# Allegro board 038RT-9068CJK8E-A100_0921_1.brd (continued)
## Routing (per net, layer and track width the routed paths; a pad name or vN(x,y) marks a point on that pad's centre or on a via; arc(x,y) is an arc through that point) (continued)
S1_1_P7_HSO-: length 139.1
  BOTTOM w0.14: UNK1K217.16 551.53,211.26 546.61,211.26 545.44,212.43 481.24,212.43 476.11,207.31 476.11,186.53 473.28,183.69 462.09,183.69 455.81,189.97 455.81,195.63 453.06,198.38 450.75,198.38 448.43,196.06 447.51,196.06 UNK1K213.24
S1_1_PGATE: length 13.8
  BOTTOM w0.61: UNK1CMOS1.4 357.98,221.3 361.73,217.55 UNK1K11.5
S1_1_WAKE: length 2.2
  TOP w0.115: UNK1R276.1 UNK1K82.5
S1_2_GPIOA1: length 1.8
  BOTTOM w0.115: UNK1K124.3 UNK1R328.2
S1_2_GPIOA2: length 1.8
  BOTTOM w0.115: UNK1K124.6 UNK1R327.2
S1_AVDD09: length 14.2
  TOP w0.508: v1(399.98,190.97) 399.79,190.78 399.79,187.86 400.93,186.72 400.93,180.52 399.89,179.48 S1_AVDD09.1
  vias: v1(399.98,191.6) v1(400.5,210.22) v1(400.5,199.82) v1(401.3,210.22) v1(401.3,199.82) v1(402.9,200.62) v1(403.7,213.42) v1(403.7,211.02) v1(403.7,199.82) v1(404.5,199.82) v1(405.3,199.82) v1(406.1,199.82) v1(406.9,209.42) v1(406.9,200.62) v1(407.7,209.42) v1(407.7,201.42) v1(408.5,201.42) v1(409.3,211.82) v1(409.3,211.02) v1(409.3,210.22) v1(410.1,211.02) v1(410.1,210.22)
S1_AVDD09_VO09: length 6.2
  TOP w3.048: UNK1RD21.1 356.59,54.23 UNK1K4.8
S1_AVDD33: length 19.2
  TOP w0.508: v1(393.96,201.85) 392.25,200.14 379.69,200.14 379.5,199.95 S1_AVDD33.1
  vias: v1(394.6,201.85) v1(400.5,211.82) v1(400.5,211.02) v1(401.3,211.02) v1(401.3,208.62) v1(402.1,211.02) v1(402.1,210.22) v1(402.9,211.02) v1(402.9,210.22) v1(403.7,209.42) v1(404.5,201.42) v1(405.3,201.42) v1(406.1,210.22) v1(406.9,212.62) v1(407.7,212.62) v1(408.5,212.62) v1(409.3,209.42) v1(409.3,208.62) v1(409.3,201.42) v1(410.1,209.42) v1(410.1,208.62) v1(410.1,201.42) v1(410.1,199.82) v1(410.9,212.62) v1(411.7,212.62)
S1_AVDD33_MOSFET: length 17.6
  L15_SIGNAL w0.102: 397.8,207.42 400.9,207.42 v1(401.3,207.02)
  L15_SIGNAL w0.203: 397.8,207.42 397.53,207.69 392.2,207.69 389.34,210.55 388.47,210.55 388.16,210.23 388.16,209.19 388.49,208.86 v2(388.97,208.86)
  BOTTOM w0.203: UNK1ST5.1 v2(388.97,208.86)
  vias: v1(359.25,225.29) v1(359.25,224.66) v1(359.25,224.02) v1(359.25,223.39) v1(359.25,222.75) v1(359.25,222.12) v1(392.88,210.44) v1(392.88,209.81) v1(392.88,209.17) v1(393.51,210.44) v1(393.51,209.81) v1(393.51,209.17)
S1_CHR_FE_MDI+: length 4
  TOP w0.105: UNK1K58.4 639.78,158.23 639.91,158.1 639.91,155.94 UNK1R130.1
S1_CHR_FE_MDI-: length 4
  TOP w0.105: UNK1R130.2 640.38,155.94 640.38,158.1 640.51,158.23 UNK1K58.5
S1_CHR_FE_MDIX+: length 4
  TOP w0.105: UNK1K54.4 632.73,158.23 632.87,158.1 632.87,155.94 UNK1R126.1
S1_CHR_FE_MDIX-: length 4
  TOP w0.105: UNK1K54.5 633.47,158.23 633.33,158.1 633.33,155.94 UNK1R126.2
S1_CKXTAL1: length 29.2
  TOP w0.115: SITE1.A13 407.7,214.23 408.1,214.63 425.09,214.63 426.6,213.12 433.19,213.12 UNK1K34.6
S1_CKXTAL2: length 30.3
  TOP w0.115: UNK1K34.3 433.61,215.9 407.54,215.9 406.9,215.26 SITE1.A12
S1_DCH_AT+: length 105.5
  L46_SIGNAL w0.102: 409.57,213.84 409.7,213.72 409.7,213.02 v1(409.3,212.62)
  L46_SIGNAL w0.136: v1(327.22,221.55) 328,220.78 328,218.87 328.13,218.73 332.32,218.73 333.14,219.55 333.14,221.42 332.98,221.58 332.76,221.58 332.6,221.74 332.6,221.97 332.76,222.13 332.98,222.13 333.14,222.28 333.14,225.14 340.77,232.77 386.64,232.77 403.01,216.41 408.15,216.41 409.52,215.04 409.52,213.9 409.57,213.84
  BOTTOM w0.115: v1(327.22,221.55) MUX15.3
S1_DCH_AT-: length 105.5
  L46_SIGNAL w0.102: v1(410.1,212.62) 409.7,212.22 409.13,212.22 408.9,212.45 408.9,213.7 409.04,213.84
  L46_SIGNAL w0.136: v1(327.22,215.46) 328,216.23 328,218.14 328.13,218.28 332.51,218.28 333.59,219.36 333.59,224.95 340.96,232.32 386.45,232.32 402.82,215.96 407.96,215.96 409.06,214.85 409.06,213.86 409.04,213.84
  BOTTOM w0.115: v1(327.22,215.46) MUX15.10
S1_DCH_P4_HSI+: length 310.7
  L36_SIGNAL w0.1: v1(558.53,188.99) 558.68,188.84 559.71,188.84 560.49,189.62 560.49,191.62 564.65,195.78 564.65,225.12 556.39,233.38 554.76,233.38 553.88,234.26 553.88,235.85 553.2,236.53 528.35,236.53 527.8,237.08 479.89,237.08 477.45,239.52 471.07,239.52 467.01,243.58 419.81,243.58 418.21,245.18 414.11,245.18 412.61,246.68 396.53,246.68 393.9,244.05 380.97,244.05 376.5,248.52 371.01,248.52 364.07,255.47 364.07,265.76 361.87,267.96 342.06,267.96 339.92,270.1 337.2,270.1 336.08,271.22 336.08,274.34 337.58,275.84 338.87,275.84 338.97,275.94 v1(338.97,278.7)
  BOTTOM w0.105: v1(558.53,188.99) 558.43,188.89 558.18,188.89 557.92,189.16 557.92,189.64 557.42,190.14 555.59,190.14 UNK1K184.33
  BOTTOM w0.115: v1(338.97,278.7) MUX1.3
S1_DCH_P4_HSI-: length 310.7
  L36_SIGNAL w0.1: v1(558.53,188.33) 558.68,188.48 559.86,188.48 560.85,189.47 560.85,191.47 565.01,195.63 565.01,225.27 556.54,233.74 554.91,233.74 554.24,234.41 554.24,236 553.35,236.9 528.5,236.9 527.96,237.44 480.04,237.44 477.6,239.89 471.22,239.89 467.17,243.94 419.96,243.94 418.36,245.54 414.27,245.54 412.76,247.04 396.38,247.04 393.75,244.41 381.12,244.41 376.65,248.88 371.16,248.88 364.43,255.62 364.43,265.91 362.02,268.32 342.21,268.32 340.07,270.46 337.35,270.46 336.45,271.37 336.45,274.19 337.73,275.47 338.87,275.47 338.97,275.37 v1(338.97,272.61)
  BOTTOM w0.105: UNK1K184.34 555.59,189.68 557.22,189.68 557.45,189.45 557.45,188.97 557.99,188.43 558.43,188.43 v1(558.53,188.33)
  BOTTOM w0.115: v1(338.97,272.61) MUX1.10
S1_DCH_P4_HSO+: length 313.5
  L38_SIGNAL w0.1: v1(327.22,198.69) 327.22,195.93 327.32,195.83 327.37,195.83 327.37,195.83 327.67,195.83 329.7,193.79 345.33,193.79 346.03,194.49 346.03,222.41 355.45,231.84 441.06,231.84 442.97,229.93 475.22,229.93 475.82,230.53 530.11,230.53 531.65,228.98 539.98,228.98 542.5,226.47 542.5,190.23 546.12,186.62 552.96,186.62 557.19,190.84 558.38,190.84 v1(558.53,190.99)
  BOTTOM w0.105: v1(558.53,190.99) 558.43,190.89 558.11,190.89 557.86,191.14 555.59,191.14 UNK1K184.31
  BOTTOM w0.115: v1(327.22,198.69) MUX2.3
S1_DCH_P4_HSO-: length 313.5
  L38_SIGNAL w0.1: v1(327.22,192.6) 327.22,195.36 327.32,195.46 327.52,195.46 329.45,193.53 329.55,193.43 345.48,193.43 346.39,194.34 346.39,222.26 355.6,231.47 440.91,231.47 442.82,229.56 475.37,229.56 475.97,230.17 529.96,230.17 531.5,228.62 539.83,228.62 542.14,226.32 542.14,190.08 545.97,186.26 553.11,186.26 557.34,190.48 558.38,190.48 v1(558.53,190.33)
  BOTTOM w0.105: UNK1K184.32 555.59,190.68 557.67,190.68 557.92,190.43 558.43,190.43 v1(558.53,190.33)
  BOTTOM w0.115: v1(327.22,192.6) MUX2.10
S1_DCH_P5_HSI+: length 304.8
  L36_SIGNAL w0.1: v1(558.53,198.01) 558.68,197.86 560.17,197.86 561.88,199.57 561.88,218.26 560.06,220.09 552.94,220.09 551.05,221.98 551.05,232.63 550.17,233.51 478.2,233.51 477.59,232.9 467.44,232.9 461,239.34 390.49,239.34 389.36,240.47 378.63,240.47 376.02,243.07 366.1,243.07 349.07,260.11 341.07,260.11 332.09,269.08 326.08,269.08 324.84,270.33 324.84,274.2 326.47,275.84 327.5,275.84 327.6,275.94 v1(327.6,278.7)
  BOTTOM w0.105: v1(558.53,198.01) 558.43,197.91 557.89,197.91 557.29,197.31 557.29,195.54 556.4,194.64 555.59,194.64 UNK1K184.24
  BOTTOM w0.115: v1(327.6,278.7) MUX3.3
S1_DCH_P5_HSI-: length 304.8
  L36_SIGNAL w0.1: v1(327.6,272.61) 327.6,275.37 327.5,275.47 326.62,275.47 325.2,274.05 325.2,270.48 326.23,269.44 332.24,269.44 341.22,260.47 349.22,260.47 366.26,243.44 376.17,243.44 378.78,240.83 389.51,240.83 390.64,239.7 461.15,239.7 467.59,233.27 477.44,233.27 478.05,233.88 550.32,233.88 551.41,232.78 551.41,222.13 553.09,220.45 560.21,220.45 562.24,218.42 562.24,199.41 560.33,197.5 558.68,197.5 v1(558.53,197.35)
  BOTTOM w0.105: UNK1K184.25 555.59,194.18 556.59,194.18 557.75,195.35 557.75,197.12 558.08,197.45 558.43,197.45 v1(558.53,197.35)
  BOTTOM w0.115: v1(327.6,272.61) MUX3.10
S1_DCH_P5_HSO+: length 285.4
  L36_SIGNAL w0.1: v1(327.54,244.41) 327.42,244.29 327.42,241.65 327.32,241.55 325.9,241.55 325.11,240.76 325.11,236.45 326.48,235.08 328.37,235.08 331.71,231.74 453.34,231.74 465.31,219.77 493.01,219.77 497.1,223.86 525.67,223.86 528.65,226.84 544.1,226.84 544.5,226.44 544.5,209.75 551.7,202.56 558.82,202.56 560.14,201.24 560.14,200.05 559.95,199.86 558.68,199.86 v1(558.53,200.01)
  BOTTOM w0.105: UNK1K184.22 555.59,195.64 556.1,195.64 556.28,195.83 556.28,198.51 557.69,199.91 558.43,199.91 v1(558.53,200.01)
  BOTTOM w0.115: v1(327.54,244.41) MUX4.3
S1_DCH_P5_HSO-: length 285.4
  L36_SIGNAL w0.1: v1(558.53,199.35) 558.68,199.5 560.1,199.5 560.5,199.9 560.5,201.39 558.97,202.92 551.85,202.92 544.86,209.9 544.86,226.59 544.25,227.21 528.5,227.21 525.52,224.22 496.95,224.22 492.86,220.13 465.46,220.13 453.49,232.1 331.86,232.1 328.52,235.44 326.63,235.44 325.47,236.6 325.47,240.61 326.05,241.18 327.32,241.18 327.42,241.08 327.42,238.44 v1(327.54,238.32)
  BOTTOM w0.105: v1(558.53,199.35) 558.43,199.45 557.88,199.45 556.75,198.31 556.75,195.64 556.29,195.18 555.59,195.18 UNK1K184.23
  BOTTOM w0.115: v1(327.54,238.32) MUX4.10
S1_DCH_P6_CLKREQB: length 229.8
  L03_SIGNAL w0.145: v1(327.54,267.27) 330.3,264.52 331.98,264.52 333.36,263.14 333.36,179.65 353.55,159.46 353.55,87.45 370.67,70.33 370.67,59.25 UNK1K211.4
  BOTTOM w0.115: v1(327.54,267.27) MUX11.3
S1_DCH_P6_HSI+: length 189.3
  L13_SIGNAL w0.14: 339.11,207.27 339.53,207.27 339.9,206.9 339.9,205.85 340.66,205.09 340.66,202.3 339.9,201.54 337.94,201.54 333.92,197.52 333.92,193.49 349.11,178.3 452.42,178.3 458.06,183.94 458.06,195.73 459,196.67 464.84,196.67 466.49,198.31 473.77,198.31
  L13_SIGNAL w0.15: 339.11,207.27 338.97,207.41 v1(338.97,210.12) ; v1(473.9,198.45) 473.77,198.31
  BOTTOM w0.115: v1(338.97,210.12) MUX6.3
  BOTTOM w0.14: v1(473.9,198.45) 473.77,198.31 472.9,198.31 470.65,196.06 469.72,196.06 UNK1K214.24
S1_DCH_P6_HSI-: length 189.3
  L13_SIGNAL w0.14: 473.77,197.92 466.65,197.92 465,196.28 459.16,196.28 458.45,195.57 458.45,183.78 452.58,177.91 348.95,177.91 333.53,193.33 333.53,197.68 337.78,201.93 339.74,201.93 340.27,202.47 340.27,204.93 339.51,205.69 339.51,206.74 339.37,206.88 339.11,206.88
  L13_SIGNAL w0.15: 339.11,206.88 338.97,206.74 v1(338.97,204.03) ; v1(473.9,197.79) 473.77,197.92
  BOTTOM w0.115: v1(338.97,204.03) MUX6.10
  BOTTOM w0.14: UNK1K214.25 469.72,195.67 470.81,195.67 473.06,197.92 473.77,197.92 v1(473.9,197.79)
S1_DCH_P6_HSO+: length 262.3
  L36_SIGNAL w0.14: 338.74,241.56 338.2,241.56 336.17,239.52 336.17,237.11 337.09,236.19 343.39,236.19 344.5,237.31 360.98,237.31 364.08,234.21 456.06,234.21 466.72,223.55 478.5,223.55 481.88,226.94 525.1,226.94 526.57,228.41 545.25,228.41 546.46,227.2 546.46,215.93 547.6,214.79 550.54,214.79 551.69,213.64 560.17,213.64
  L36_SIGNAL w0.15: v1(338.97,244.41) 338.91,244.35 338.91,241.73 338.74,241.56 ; v1(560.31,213.5) 560.17,213.64
  BOTTOM w0.115: v1(338.97,244.41) MUX7.3
  BOTTOM w0.14: UNK1K217.25 555.62,210.37 556.89,210.37 557.85,211.34 557.85,212.66 558.83,213.64 560.17,213.64 v1(560.31,213.5)
S1_DCH_P6_HSO-: length 262.3
  L36_SIGNAL w0.14: 560.17,214.03 551.85,214.03 550.7,215.18 547.76,215.18 546.85,216.09 546.85,227.36 545.41,228.8 526.41,228.8 524.94,227.33 481.72,227.33 478.33,223.94 466.88,223.94 456.22,234.6 364.24,234.6 361.14,237.7 344.34,237.7 343.22,236.58 337.25,236.58 336.56,237.27 336.56,239.36 337.1,239.9 337.33,239.9 337.69,239.53 337.92,239.53 338.09,239.7 338.09,239.93 337.72,240.29 337.72,240.53 338.37,241.17 338.73,241.17
  L36_SIGNAL w0.15: v1(338.97,238.32) 338.88,238.41 338.88,241.02 338.73,241.17 ; v1(560.31,214.16) 560.17,214.03
  BOTTOM w0.115: v1(338.97,238.32) MUX7.10
  BOTTOM w0.14: UNK1K217.24 555.62,210.76 556.73,210.76 557.46,211.5 557.46,212.82 558.67,214.03 560.17,214.03 v1(560.31,214.16)
S1_DCH_P6_ISOLATEB: length 267.8
  L07_SIGNAL w0.105: UNK1K220.4 440.18,64.68 425.16,79.7 351.62,79.7 337.9,93.42 337.9,158.82 343.52,164.44 343.52,191.82 340.9,194.43 340.9,196.68 342.02,197.79 342.02,204.8 340.8,206.02 340.8,208.18 342.17,209.55 342.17,215.75 340.72,217.2 340.72,231.23 v1(338.97,232.98)
  BOTTOM w0.115: v1(338.97,232.98) MUX13.3
S1_DCH_P6_LANWAKEB: length 226.6
  L03_SIGNAL w0.145: v1(338.97,267.27) 338.97,263.46 341.18,261.25 341.18,193.63 342.93,191.88 342.93,177.07 357.41,162.59 357.41,90.74 376.89,71.26 376.89,59.23 UNK1K212.4
  BOTTOM w0.115: v1(338.97,267.27) MUX12.3
S1_DCH_P6_PCIE_RESETB: length 251
  L07_SIGNAL w0.105: v1(338.97,221.55) 338.97,217.17 340.95,215.19 340.95,210.06 339.58,208.69 339.58,205.51 340.8,204.29 340.8,198.3 339.68,197.18 339.68,193.93 342.3,191.31 342.3,164.95 336.68,159.33 336.68,92.92 351.11,78.48 419.83,78.48 433.93,64.37 433.93,58 UNK1K221.4
  BOTTOM w0.115: v1(338.97,221.55) MUX14.3
S1_DCH_P6_REFCLK_100M+: length 182.3
  L13_SIGNAL w0.1: v1(327.22,210.12) 327.22,207.36 327.12,207.26 326.34,207.26 324.71,205.63 324.71,201.67 325.49,200.89 325.49,195.87 345.91,175.44 455.28,175.44 468.16,188.33 470.56,188.33 472.17,189.94 472.48,189.94 v1(472.63,189.79)
  BOTTOM w0.105: v1(472.63,189.79) 472.53,189.88 472.09,189.88 470.84,191.13 469.69,191.13 UNK1K214.34
  BOTTOM w0.115: v1(327.22,210.12) MUX5.3
S1_DCH_P6_REFCLK_100M-: length 182.3
  L13_SIGNAL w0.1: v1(327.22,204.03) 327.22,206.79 327.12,206.89 326.49,206.89 325.07,205.48 325.07,203.89 325.19,203.77 325.4,203.77 325.51,203.66 325.51,203.49 325.4,203.37 325.19,203.37 325.07,203.26 325.07,203.09 325.19,202.97 325.4,202.97 325.51,202.86 325.51,202.69 325.4,202.57 325.19,202.57 325.07,202.46 325.07,201.82 325.85,201.04 325.85,196.02 346.07,175.81 455.13,175.81 468.01,188.69 470.41,188.69 472.02,190.3 472.48,190.3 v1(472.63,190.45)
  BOTTOM w0.105: v1(472.63,190.45) 472.53,190.35 472.28,190.35 471.03,191.6 469.69,191.6 UNK1K214.33
  BOTTOM w0.115: v1(327.22,204.03) MUX5.10
S1_DCH_P7_CLKREQB: length 228.6
  L03_SIGNAL w0.145: v1(327.54,261.18) 330.22,263.86 331.71,263.86 332.7,262.86 332.7,179.37 352.89,159.18 352.89,87.17 370.01,70.05 370.01,59.21 UNK1K211.5
  BOTTOM w0.115: v1(327.54,261.18) MUX11.10
S1_DCH_P7_HSI+: length 167.4
  L13_SIGNAL w0.14: 472.5,200.31 470.41,200.31 469.43,201.3 459.22,201.3 455.28,197.37 455.28,184.72 450.82,180.25 352.85,180.25 339.94,193.16 339.94,195.47 339.56,195.84 339.11,195.84
  L13_SIGNAL w0.15: v1(472.63,200.45) 472.5,200.31 ; v1(338.97,198.69) 338.97,195.98 339.11,195.84
  BOTTOM w0.115: v1(338.97,198.69) MUX9.3
  BOTTOM w0.14: UNK1K214.22 469.72,197.06 470.51,197.06 470.99,197.55 470.99,199.39 471.91,200.31 472.5,200.31 v1(472.63,200.45)
S1_DCH_P7_HSI-: length 167.4
  L13_SIGNAL w0.14: 339.11,195.45 339.4,195.45 339.55,195.3 339.55,193 352.68,179.86 450.98,179.86 455.67,184.56 455.67,197.2 459.38,200.91 469.26,200.91 470.25,199.92 472.5,199.92
  L13_SIGNAL w0.15: 339.11,195.45 338.97,195.31 v1(338.97,192.6) ; v1(472.63,199.79) 472.5,199.92
  BOTTOM w0.115: v1(338.97,192.6) MUX9.10
  BOTTOM w0.14: UNK1K214.23 469.72,196.67 470.67,196.67 471.38,197.39 471.38,199.23 472.08,199.92 472.5,199.92 v1(472.63,199.79)
S1_DCH_P7_HSO+: length 258.6
  L36_SIGNAL w0.14: 558.39,215.64 556.91,215.64 554.73,217.82 552.14,217.82 549.21,220.75 549.21,228.37 547.45,230.13 480.66,230.13 479.07,228.53 466.66,228.53 458.27,236.92 388.48,236.92 387.49,237.92 366,237.92 356.12,247.8 337.12,247.8 336.38,248.55 336.38,252.05 337.32,252.99 338.74,252.99
  L36_SIGNAL w0.15: v1(558.53,215.5) 558.39,215.64 ; 338.74,252.99 338.91,253.16 338.91,255.78 v1(338.97,255.84)
  BOTTOM w0.115: v1(338.97,255.84) MUX10.3
  BOTTOM w0.14: v1(558.53,215.5) 558.39,215.64 557.5,215.64 556.86,215 556.86,211.82 556.41,211.37 555.62,211.37 UNK1K217.23
S1_DCH_P7_HSO-: length 258.6
  L36_SIGNAL w0.14: 338.73,252.6 337.48,252.6 336.77,251.89 336.77,248.71 337.29,248.19 356.28,248.19 366.17,238.31 387.65,238.31 388.65,237.31 458.43,237.31 466.82,228.92 478.9,228.92 480.5,230.52 547.61,230.52 549.6,228.53 549.6,220.91 552.3,218.21 554.89,218.21 555.34,217.76 555.57,217.76 555.7,217.89 555.94,217.89 556.1,217.73 556.1,217.5 555.97,217.36 555.97,217.13 556.13,216.97 556.36,216.97 556.5,217.1 556.73,217.1 556.89,216.94 556.89,216.71 556.76,216.57 556.76,216.34 557.07,216.03 558.39,216.03
  L36_SIGNAL w0.15: 338.73,252.6 338.88,252.45 338.88,249.84 v1(338.97,249.75) ; v1(558.53,216.16) 558.39,216.03
  BOTTOM w0.115: v1(338.97,249.75) MUX10.10
  BOTTOM w0.14: v1(558.53,216.16) 558.39,216.03 557.34,216.03 556.47,215.16 556.47,211.98 556.25,211.76 555.62,211.76 UNK1K217.22
S1_DCH_P7_ISOLATEB: length 259.5
  L07_SIGNAL w0.105: UNK1K220.5 436.98,64.73 422.59,79.12 351.38,79.12 337.31,93.18 337.31,159.06 342.93,164.69 342.93,191.57 340.32,194.19 340.32,196.92 341.44,198.04 341.44,204.55 340.22,205.77 340.22,208.42 341.59,209.8 341.59,215.52 340.12,216.99 340.12,226.57 339.76,226.92 339.01,226.92 v1(338.97,226.89)
  BOTTOM w0.115: v1(338.97,226.89) MUX13.10
S1_DCH_P7_LANWAKEB: length 221.1
  L03_SIGNAL w0.145: UNK1K212.5 376.26,59.25 376.26,70.99 356.78,90.47 356.78,162.33 342.3,176.81 342.3,191.62 340.55,193.37 340.55,260.99 340.34,261.19 338.99,261.19 v1(338.97,261.18)
  BOTTOM w0.115: v1(338.97,261.18) MUX12.10
S1_DCH_P7_PCIE_RESETB: length 631.3
  L07_SIGNAL w0.105: v1(338.97,215.46) 339.75,215.46 340.34,214.86 340.34,210.31 338.97,208.94 338.97,205.26 340.19,204.04 340.19,198.55 339.07,197.43 339.07,193.68 341.69,191.06 341.69,165.2 336.07,159.58 336.07,92.66 350.86,77.87 417.06,77.87 430.77,64.16 UNK1K221.5
  L24_RLY w0.203: 432.16,418.36 432.16,415.44 426.58,409.86 426.58,292.86 428.48,290.96 428.48,279.27 431.15,276.61 431.15,258.7 431.53,258.32 431.53,220.75 431.05,220.27 431.05,214.38 431.25,214.17 431.25,198.73 431.02,198.5 431.02,179.83 408.03,156.84 408.03,82.55 419.08,71.5 427.08,71.5 430.77,67.81 UNK1K221.5
  BOTTOM w0.115: v1(338.97,215.46) MUX14.10
S1_DCH_P7_REFCLK_100M+: length 220.9
  L11_SIGNAL w0.1: v1(473.9,191.79) 474.05,191.94 475.2,191.94 476.48,190.65 476.48,189.72 476.36,189.61 476.16,189.61 476.04,189.49 476.04,189.32 476.16,189.21 476.36,189.21 476.48,189.09 476.48,188.92 476.36,188.81 476.16,188.81 476.04,188.69 476.04,188.52 476.16,188.41 476.36,188.41 476.48,188.29 476.48,185.74 470.34,179.6 379.69,179.6 364.78,194.51 364.78,229.36 355.13,239.01 340.5,239.01 328.81,250.7 328.81,252.45 328.29,252.98 327.64,252.98 327.54,253.08 v1(327.54,255.84)
  BOTTOM w0.105: v1(473.9,191.79) 473.8,191.88 472.17,191.88 471.92,192.13 469.69,192.13 UNK1K214.32
  BOTTOM w0.115: v1(327.54,255.84) MUX8.3
S1_DCH_P7_REFCLK_100M-: length 220.9
  L11_SIGNAL w0.1: v1(473.9,192.45) 474.05,192.3 475.35,192.3 476.84,190.8 476.84,185.59 470.49,179.24 379.54,179.24 364.42,194.36 364.42,229.21 354.98,238.65 340.35,238.65 328.45,250.55 328.45,252.3 328.14,252.61 327.64,252.61 327.54,252.51 v1(327.54,249.75)
  BOTTOM w0.105: UNK1K214.31 469.69,192.6 472.12,192.6 472.37,192.35 473.8,192.35 v1(473.9,192.45)
  BOTTOM w0.115: v1(327.54,249.75) MUX8.10
S1_DISB: length 56.2
  L07_SIGNAL w0.105: v1(345.31,206.2) 347.17,204.34 356.8,204.34 361.05,200.08 395.96,200.08 v1(398.1,202.22)
S1_DPS_AVDD09: length 0.8
  TOP w0.203: UNK1ST2.1 v2(361.65,38.96)
  vias: v2(359.64,40.18) v2(359.64,38.91) v2(359.64,37.64) v2(359.64,35.61) v2(359.64,34.34) v2(359.64,33.07) v2(361.92,30.78) v2(361.92,29.51) v2(361.92,28.24) v2(361.92,26.34) v2(361.92,25.07) v2(361.92,23.8) v2(361.98,37.01) v2(361.98,34.49) v2(363.19,30.78) v2(363.19,29.51) v2(363.19,28.24) v2(363.19,26.34) v2(363.19,25.07) v2(363.19,23.8)
S1_DPS_AVDD33:
  vias: v1(385.77,205.82) v1(385.77,205.19) v1(385.77,203.66) v1(386.4,205.82) v1(386.4,205.19) v1(386.4,203.66) v2(510.75,25.65) v2(513.29,52.32) v2(513.29,51.05) v2(513.29,44.7) v2(513.29,36.45) v2(513.29,35.18) v2(513.29,28.83) v2(514.56,52.32) v2(514.56,51.05) v2(514.56,44.7) v2(514.56,36.45) v2(514.56,35.18) v2(514.56,28.83) v2(515.83,52.32) v2(515.83,51.05) v2(515.83,44.7) v2(515.83,36.45) v2(515.83,35.18) v2(515.83,28.83) v2(515.83,25.65) v2(518.37,52.32) v2(518.37,51.05) v2(518.37,44.7) v2(518.37,36.45) v2(518.37,35.18) v2(518.37,28.83) v2(519.64,52.32) v2(519.64,51.05) v2(519.64,44.7) v2(519.64,36.45) v2(519.64,35.18) v2(519.64,28.83) v2(520.91,52.32) v2(520.91,51.05) v2(520.91,44.7) v2(520.91,36.45) v2(520.91,35.18) v2(520.91,28.83)
S1_DPS_DVDD09:
  vias: v2(346.68,53.97) v2(346.68,52.71) v2(346.68,46.35) v2(346.68,34.93) v2(346.68,33.66) v2(346.68,27.31) v2(347.95,53.97) v2(347.95,52.71) v2(347.95,46.35) v2(347.95,34.93) v2(347.95,33.66) v2(347.95,27.31) v2(349.22,53.97) v2(349.22,52.71) v2(349.22,46.35) v2(349.22,43.18) v2(349.22,34.93) v2(349.22,33.66) v2(349.22,27.31) v2(349.22,24.13) v2(351.76,53.97) v2(351.76,52.71) v2(351.76,46.35) v2(351.76,34.93) v2(351.76,33.66) v2(351.76,27.31) v2(353.03,53.97) v2(353.03,52.71) v2(353.03,46.35) v2(353.03,34.93) v2(353.03,33.66) v2(353.03,27.31) v2(354.3,53.97) v2(354.3,52.71) v2(354.3,46.35) v2(354.3,43.18) v2(354.3,34.93) v2(354.3,33.66) v2(354.3,27.31) v2(354.3,24.13)
S1_DPS_DVDD33:
  vias: v1(412.04,182.02) v1(412.04,181.38) v2(508.11,51.44) v2(508.11,45.09) v2(509.38,51.44) v2(509.38,45.09) v2(510.65,51.44) v2(510.65,45.09) v2(520.91,25.65)
S1_DPS_GPIO_P015VDDIO:
  vias: v2(492.97,36.45) v2(492.97,35.18) v2(492.97,28.83) v2(494.24,36.45) v2(494.24,35.18) v2(494.24,28.83) v2(495.51,36.45) v2(495.51,35.18) v2(495.51,28.83) v2(495.51,25.65) v2(498.05,36.45) v2(498.05,35.18) v2(498.05,28.83) v2(499.32,36.45) v2(499.32,35.18) v2(499.32,28.83) v2(500.59,36.45) v2(500.59,35.18) v2(500.59,28.83) v2(500.59,25.65)
S1_DPS_LDOIN:
  vias: v1(410.14,182.02) v1(410.14,181.38) v2(503.13,36.45) v2(503.13,35.18) v2(503.13,28.83) v2(504.4,36.45) v2(504.4,35.18) v2(504.4,28.83) v2(505.67,36.45) v2(505.67,35.18) v2(505.67,28.83) v2(505.67,25.65) v2(508.21,36.45) v2(508.21,35.18) v2(508.21,28.83) v2(509.48,36.45) v2(509.48,35.18) v2(509.48,28.83) v2(510.75,36.45) v2(510.75,35.18) v2(510.75,28.83)
S1_DVDD09: length 47.8
  TOP w0.508: S1_DVDD09.1 405.61,191.57 405.98,191.94 v1(405.98,193.92)
  L15_SIGNAL w0.102: v1(405.3,211.82) 405.47,211.65 406.23,211.65 406.5,211.38 406.5,198.7
  L15_SIGNAL w0.203: 406.5,198.7 406.9,198.3 407.47,198.3 408.82,196.95 v2(408.82,183.22)
  BOTTOM w0.203: UNK1ST1.1 v2(408.82,183.22)
  vias: v1(399.7,207.82) v1(399.7,207.02) v1(403.7,208.62) v1(404.5,211.82) v1(404.5,209.42) v1(404.5,207.82) v1(404.5,207.02) v1(404.5,206.22) v1(404.5,205.42) v1(405.3,209.42) v1(405.3,204.62) v1(405.3,203.82) v1(405.98,194.75) v1(406.1,209.42) v1(406.1,204.62) v1(406.1,203.82) v1(406.62,194.75) v1(406.62,193.92) v1(406.9,211.82) v1(406.9,204.62) v1(406.9,203.82)
S1_DVDD09_VO09: length 6.2
  TOP w3.048: UNK1RD11.1 364.72,54.23 UNK1K4.5
S1_DVDD33: length 12.3
  TOP w0.508: S1_DVDD33.1 413.23,183.97 415.59,186.33 415.59,188.44 v1(416.09,188.94)
  vias: v1(407.7,204.62) v1(407.7,203.82) v1(408.5,203.82) v1(408.5,200.59) v1(410.9,203.82) v1(415.6,190.4) v1(416.09,189.57)
S1_F_AVDD09:
  vias: v1(401.88,184.05) v1(401.88,183.41)
S1_F_DVDD09:
  vias: v1(401.57,181.95) v1(401.57,181.32) v1(402.2,181.95) v1(402.2,181.32)
S1_F_GPIO_VDDIO:
  vias: v1(394.65,182.02) v1(394.65,181.38)
S1_F_P0_1_5_VDDIO:
  vias: v1(385.77,213.44) v1(386.4,213.44) v1(425.98,205.67) v1(425.98,203.64) v1(426.61,205.67) v1(426.61,203.64)
S1_FE_LED0: length 20.9
  L05_SIGNAL w0.102: 412.92,203.42 409.7,203.42 v1(409.3,203.82)
  L05_SIGNAL w0.105: 412.92,203.42 415.14,203.42 417.47,201.08 428.52,201.08 v1(428.89,201.45)
S1_FE_LED1: length 24.6
  L05_SIGNAL w0.102: v1(409.3,203.02) 409.7,202.62 412.92,202.62
  L05_SIGNAL w0.105: v1(432.06,198.91) 430.84,200.13 416.54,200.13 413.92,202.74 413.04,202.74 412.92,202.62
S1_FE_MDI+: length 278.6
  L09_SIGNAL w0.1: 404.1,213.84 404.1,213.87 404.31,214.08 404.31,215.65 405.28,216.62 412.06,216.62 414.27,214.42 421.76,214.42 428.25,207.93 483.45,207.93 537.29,154.08 568.83,154.08 570.89,152.02 612.3,152.02 617.75,146.57 622.03,146.57 627.97,140.63 638.74,140.63 639.96,141.84 639.96,147.62 639.86,147.72 UNK1K56.3
  L09_SIGNAL w0.102: 404.1,213.84 404.1,213.02 v1(403.7,212.62)
S1_FE_MDI-: length 280.8
  L09_SIGNAL w0.1: 404.9,213.84 404.9,213.86 404.68,214.08 404.68,215.5 405.43,216.26 411.91,216.26 414.12,214.05 421.61,214.05 428.1,207.56 483.29,207.56 537.14,153.72 568.68,153.72 570.74,151.66 612.15,151.66 617.6,146.21 621.88,146.21 627.82,140.26 638.9,140.26 640.32,141.69 640.32,147.62 640.42,147.72 UNK1K56.6
  L09_SIGNAL w0.102: 404.9,213.84 404.9,212.45 404.66,212.22 403.3,212.22 v1(402.9,212.62)
S1_FE_MDIX+: length 279.7
  L09_SIGNAL w0.1: 401.53,213.02 400.71,213.84 400.71,214.71 404.13,218.13 413.58,218.13 414.84,216.87 425.57,216.87 427.1,218.39 434.41,218.39 434.87,217.94 435.54,217.94 436.58,216.9 444.55,216.9 449.59,211.86 484.52,211.86 527.93,168.45 545.38,168.45 555.42,158.41 623.65,158.41 626.77,155.3 626.77,145.84 628.86,143.74 632.12,143.74 632.92,144.54 632.92,147.62 632.82,147.72 UNK1K52.3
  L09_SIGNAL w0.102: v1(402.9,213.42) 402.5,213.02 401.53,213.02
S1_FE_MDIX-: length 278.1
  L09_SIGNAL w0.1: UNK1K52.6 633.38,147.72 633.28,147.62 633.28,144.39 632.27,143.38 628.71,143.38 626.4,145.69 626.4,155.15 623.5,158.05 555.27,158.05 545.23,168.09 527.78,168.09 484.37,211.5 449.44,211.5 444.4,216.54 436.43,216.54 435.39,217.57 434.72,217.57 434.26,218.03 427.25,218.03 425.73,216.5 414.69,216.5 413.43,217.77 404.28,217.77 401.08,214.56 401.08,213.99 401.08,213.99 401.68,213.38
  L09_SIGNAL w0.102: v1(402.1,213.42) 402.06,213.38 401.68,213.38
S1_GPIO_VDDIO: length 37.6
  TOP w0.508: v1(396.59,190.97) 396.34,190.72 396.34,185.83 393.21,182.7 393.21,180.7 394.81,179.1 S1_GPIO_VDDIO.1
  L15_SIGNAL w0.102: 399.3,199.45 399.3,204.23 v1(399.7,204.62)
  L15_SIGNAL w0.203: v2(398.7,183.43) 398.7,197.86 399.44,198.6 399.44,199.31 399.3,199.45